# KiCad board SparkFun_GNSS_LG580P_panelized.kicad_pcb (continued)
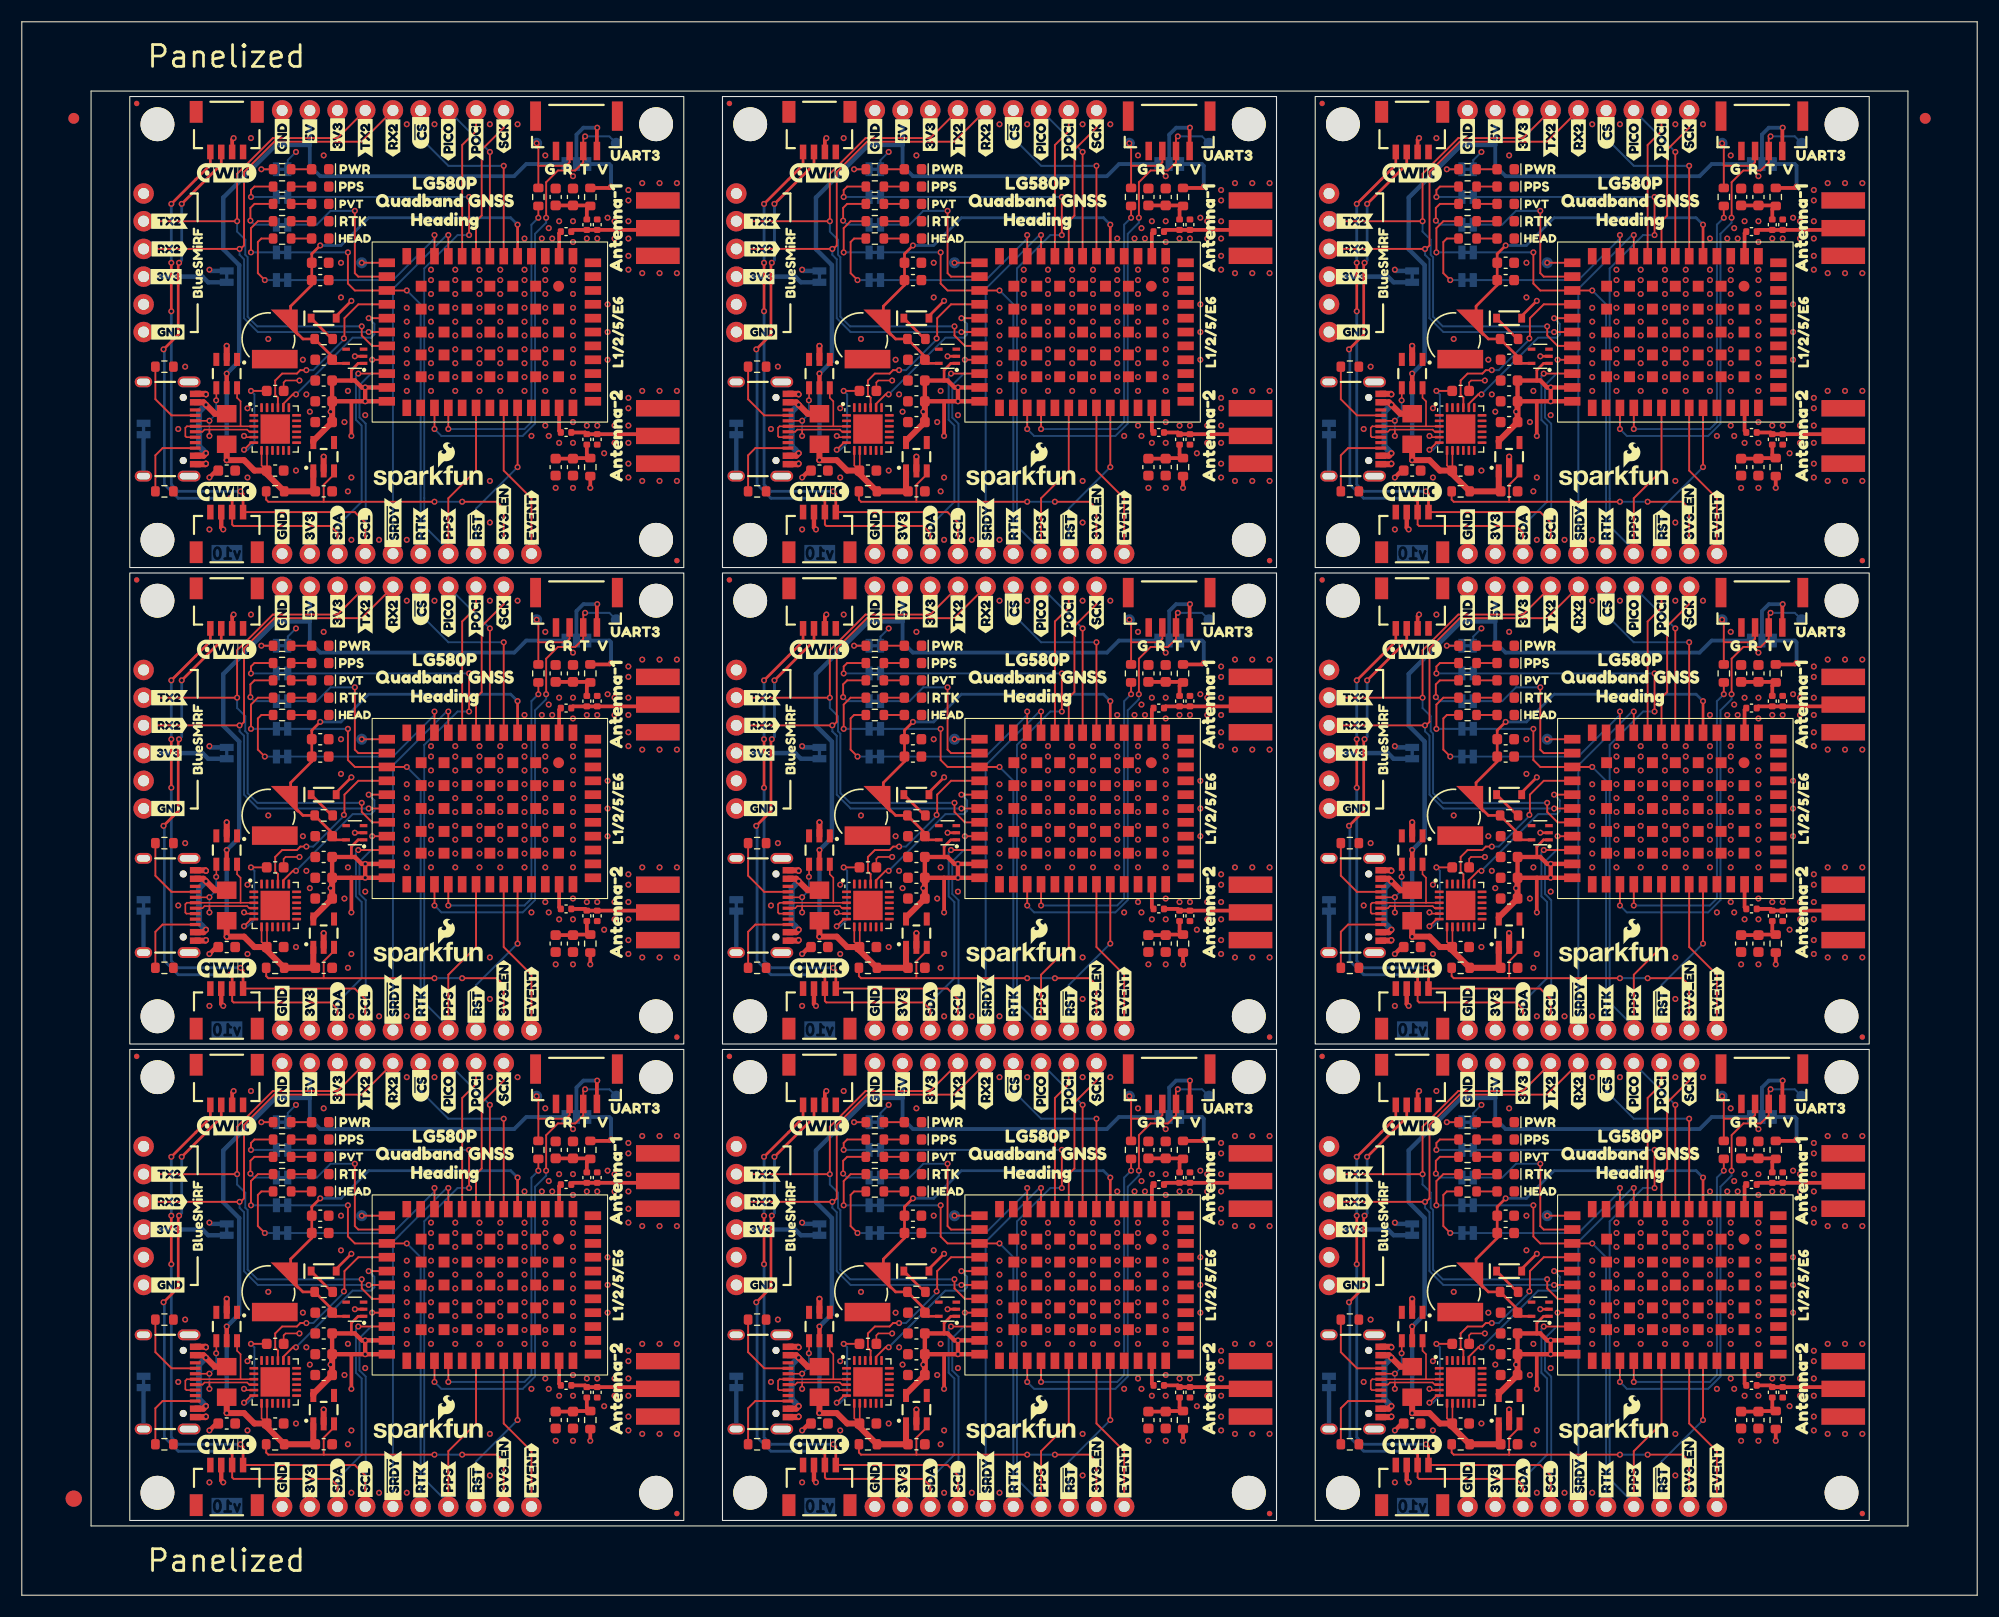
[diagram p0: board, top side]
## Routing (per net, layer and track width the routed paths; a pad name or vN(x,y) marks a point on that pad's centre or on a via; arc(x,y) is an arc through that point) (continued)
  Bottom w0.406: JP1#4.2 17.31,121.4 v1(17.2,121.52) ; v1(125.9,77.84) 126.01,77.72 JP1#7.2 ; v1(17.2,34.16) 17.31,34.04 JP1#9.2 ; v1(125.9,121.52) 126.01,121.4 JP1#8.2 ; v1(71.55,121.52) 71.66,121.4 JP1#6.2 ; JP1.2 71.66,77.72 v1(71.55,77.84) ; JP1#5.2 71.66,34.04 v1(71.55,34.16) ; v1(17.2,77.84) 17.31,77.72 JP1#3.2 ; JP1#2.2 126.01,34.04 v1(125.9,34.16)
  vias: v1(28.31,108.5) v1(28.31,64.82) v1(28.31,21.14) v1(82.66,108.5) v1(82.66,64.82) v1(82.66,21.14) v1(137.01,108.5) v1(137.01,64.82) v1(137.01,21.14)
3V3_EN: length 272.1
  Top w0.178: v1(92.19,12.88) 82.03,12.88 ; v1(149.07,12.88) 152.25,12.88 152.88,12.25 152.88,8.12 ; 136.37,100.24 136.37,101.79 137.32,102.74 U2#7.3 ; 136.37,100.24 131.29,100.24 131.1,100.43 R9#8.1 ; 136.37,100.24 v1(146.53,100.24) ; v1(37.84,100.24) 27.68,100.24 ; 22.41,13.84 22.41,13.07 22.6,12.88 27.68,12.88 ; 136.37,12.88 136.37,14.43 137.32,15.38 U2#3.3 ; 136.37,12.88 131.29,12.88 131.1,13.07 R9#6.1 ; 136.37,12.88 v1(146.53,12.88) ; U2#6.3 82.98,15.38 82.03,14.43 82.03,12.88 ; 136.37,56.56 131.29,56.56 131.1,56.75 R9#7.1 ; 136.37,56.56 v1(146.53,56.56) ; 136.37,56.56 136.37,58.11 137.32,59.06 U2#8.3 ; J10#9.5 44.19,12.25 43.55,12.88 v1(40.38,12.88) ; v1(149.07,56.56) 152.25,56.56 152.88,55.93 152.88,51.8 ; 27.68,100.24 27.68,101.79 28.63,102.74 U2#2.3 ; 27.68,100.24 22.6,100.24 22.41,100.43 22.41,101.2 ; J10.5 98.54,12.25 97.9,12.88 v1(94.73,12.88) ; U2#5.3 82.98,59.06 82.03,58.11 82.03,56.56 ; 27.68,12.88 v1(37.84,12.88) ; 27.68,12.88 27.68,14.43 28.63,15.38 U2#9.3 ; R9#3.1 76.76,56.75 76.95,56.56 82.03,56.56 ; U2#4.3 28.63,59.06 27.68,58.11 27.68,56.56 ; J10#6.5 98.54,99.61 97.9,100.24 v1(94.73,100.24) ; J10#4.5 44.19,99.61 43.55,100.24 v1(40.38,100.24) ; 27.68,56.56 v1(37.84,56.56) ; 27.68,56.56 22.6,56.56 22.41,56.75 22.41,57.52 ; 82.03,12.88 76.95,12.88 76.76,13.07 R9#5.1 ; v1(92.19,100.24) 82.03,100.24 ; 82.03,100.24 82.03,101.79 82.98,102.74 U2.3 ; 82.03,100.24 76.95,100.24 76.76,100.43 R9#9.1 ; v1(149.07,100.24) 152.25,100.24 152.88,99.61 152.88,95.48 ; 82.03,56.56 v1(92.19,56.56) ; J10#3.5 44.19,55.93 43.55,56.56 v1(40.38,56.56) ; J10#5.5 98.54,55.93 97.9,56.56 v1(94.73,56.56)
  Bottom w0.178: v1(92.19,56.56) v1(94.73,56.56) ; v1(92.19,100.24) v1(94.73,100.24) ; v1(37.84,56.56) v1(40.38,56.56) ; v1(92.19,12.88) v1(94.73,12.88) ; v1(146.53,100.24) v1(149.07,100.24) ; v1(146.53,12.88) v1(149.07,12.88) ; v1(37.84,100.24) v1(40.38,100.24) ; v1(37.84,12.88) v1(40.38,12.88) ; v1(146.53,56.56) v1(149.07,56.56)
5V: length 744.3
  Top w0.152: U4#7.8 131.18,15.77 C7#8.1 130.68,16.22 U4#7.7 ; U4#5.8 76.83,59.45 76.81,59.42 76.33,59.89 U4#5.7 ; U4#6.8 131.18,59.45 C7#4.1 130.68,59.89 U4#6.7 ; U4.8 76.83,15.77 76.81,15.74 76.33,16.22 U4.7 ; U4#8.7 130.68,103.58 C7#7.1 131.18,103.12 U4#8.8 ; U4#2.8 22.48,59.45 C7#3.1 21.98,59.89 U4#2.7 ; U4#3.8 76.83,103.12 76.81,103.1 76.33,103.58 U4#3.7 ; U4#9.7 21.98,16.22 C7#9.1 22.48,15.77 U4#9.8 ; U4#4.8 22.48,103.12 C7#2.1 21.98,103.58 U4#4.7
  Top w0.406: U1#6.5 v1(73.14,68.31) ; 127.48,23.33 v1(127.48,24.63) ; 18.79,23.33 v1(18.79,24.63) ; U1#2.5 v1(18.79,68.31) ; F1#9.1 127.48,61.64 ; 73.14,105.51 73.14,105.32 ; U1.5 v1(18.79,111.99) ; 127.48,105.51 127.48,105.32 ; U1#7.5 v1(73.14,111.99) ; 18.79,105.51 18.79,105.32 ; F1#3.1 73.14,17.96 ; U1#3.5 v1(127.48,68.31) ; F1#4.1 73.14,61.64 ; F1.1 18.79,17.96 ; F1#6.1 127.48,17.96 ; U1#4.5 v1(127.48,111.99) ; 73.14,23.33 v1(73.14,24.63) ; F1#2.1 18.79,61.64
  Top w0.559: F1#3.1 v1(73.14,16.69) 74.72,16.69 75.68,15.74 76.81,15.74 76.81,15.44 78.41,13.84 C1#8.1 81.08,14.01 81.08,15.71 ; F1#6.1 v1(127.48,16.69) 129.07,16.69 130.02,15.74 C7#8.1 131.15,15.44 R9#6.2 C1#5.1 135.42,14.01 U2#3.1 ; 81.08,59.39 81.08,57.69 C1#4.1 78.41,57.52 76.81,59.12 76.81,59.42 75.68,59.42 74.72,60.37 v1(73.14,60.37) F1#4.1 ; 81.08,103.07 81.08,101.37 C1#3.1 78.41,101.2 76.81,102.8 76.81,103.1 75.68,103.1 74.72,104.05 v1(73.14,104.05) 73.14,105.51 ; U2#9.1 26.73,14.01 C1.1 R9.2 22.46,15.44 C7#9.1 21.33,15.74 20.38,16.69 v1(18.79,16.69) F1.1 ; F1#2.1 v1(18.79,60.37) 20.38,60.37 21.33,59.42 C7#3.1 22.46,59.12 R9#4.2 C1#7.1 26.73,57.69 U2#4.1 ; U2#7.1 135.42,101.37 C1#9.1 R9#8.2 131.15,102.8 C7#7.1 130.02,103.1 129.07,104.05 v1(127.48,104.05) 127.48,105.51 ; U2#8.1 135.42,57.69 C1#2.1 R9#7.2 131.15,59.12 C7#4.1 130.02,59.42 129.07,60.37 v1(127.48,60.37) F1#9.1 ; U2#2.1 26.73,101.37 C1#6.1 R9#2.2 22.46,102.8 C7#2.1 21.33,103.1 20.38,104.05 v1(18.79,104.05) 18.79,105.51
  Bottom w0.349: 26.41,45.59 26.41,43.68 27.36,42.73 45.14,42.73 46.25,43.84 JP4.3 ; 26.41,132.94 26.41,131.04 27.36,130.09 45.14,130.09 46.25,131.2 JP4#4.3 ; JP4#6.3 154.95,131.2 153.84,130.09 136.06,130.09 135.1,131.04 135.1,132.94 ; JP4#5.3 100.6,43.84 99.49,42.73 81.71,42.73 80.76,43.68 80.76,45.59 ; JP4#9.3 154.95,87.52 153.84,86.41 136.06,86.41 135.1,87.36 135.1,89.27 ; 26.41,89.27 26.41,87.36 27.36,86.41 45.14,86.41 46.25,87.52 JP4#3.3 ; 80.76,132.94 80.76,131.04 81.71,130.09 99.49,130.09 100.6,131.2 JP4#8.3 ; 80.76,89.27 80.76,87.36 81.71,86.41 99.49,86.41 100.6,87.52 JP4#2.3 ; JP4#7.3 154.95,43.84 153.84,42.73 136.06,42.73 135.1,43.68 135.1,45.59
  Bottom w0.406: J6#9.8 26.41,45.59 23.29,45.59 18.47,40.77 18.47,36.03 19.93,34.57 19.93,25.77 v1(18.79,24.63) v1(18.79,16.69) ; J6#6.8 135.1,89.27 131.98,89.27 127.17,84.45 127.17,79.71 128.63,78.25 128.63,69.45 v1(127.48,68.31) v1(127.48,60.37) ; v1(18.79,60.37) v1(18.79,68.31) 19.93,69.45 19.93,78.25 18.47,79.71 18.47,84.45 23.29,89.27 26.41,89.27 J6.8 ; J6#7.8 135.1,45.59 131.98,45.59 127.17,40.77 127.17,36.03 128.63,34.57 128.63,25.77 v1(127.48,24.63) v1(127.48,16.69) ; v1(73.14,60.37) v1(73.14,68.31) 74.28,69.45 74.28,78.25 72.82,79.71 72.82,84.45 77.64,89.27 80.76,89.27 J6#5.8 ; J6#2.8 80.76,132.94 77.64,132.95 72.82,128.13 72.82,123.39 74.28,121.93 74.28,113.13 v1(73.14,111.99) v1(73.14,104.05) ; v1(73.14,16.69) v1(73.14,24.63) 74.28,25.77 74.28,34.57 72.82,36.03 72.82,40.77 77.64,45.59 80.76,45.59 J6#4.8 ; J6#8.8 135.1,132.94 131.98,132.95 127.17,128.13 127.17,123.39 128.63,121.93 128.63,113.13 v1(127.48,111.99) v1(127.48,104.05) ; J6#3.8 26.41,132.94 23.29,132.95 18.47,128.13 18.47,123.39 19.93,121.93 19.93,113.13 v1(18.79,111.99) v1(18.79,104.05)
GND: length 71.1
  Top w0.152: C10#5.1 24.01,67.5 24.19,67.68 v1(25.46,67.68) ; C10#9.1 24.01,23.82 24.19,24 v1(25.46,24) ; v1(134.15,67.68) 132.88,67.68 132.7,67.5 C10#8.1 ; C10#4.1 24.01,111.18 24.19,111.36 v1(25.46,111.36) ; v1(79.8,24) 78.53,24 78.36,23.82 C10#6.1 ; C10.1 78.36,67.5 78.53,67.68 v1(79.8,67.68) ; v1(79.8,111.36) 78.53,111.36 78.36,111.18 C10#7.1 ; v1(134.15,24) 132.88,24 132.7,23.82 C10#2.1 ; C10#3.1 132.7,111.18 132.88,111.36 v1(134.15,111.36)
  Top w0.254: BT1.- 23.18,25.95 ; D11#6.2 v1(139.23,26.22) ; D11#5.2 v1(84.88,69.9) ; D11#3.2 v1(30.54,69.9) ; D11#2.2 v1(139.23,113.58) ; 131.89,69.64 131.87,69.64 ; BT1#6.- 77.53,69.64 ; 131.89,25.95 131.87,25.95 ; BT1#7.- 77.53,113.31 ; BT1#3.- 23.18,113.31 ; BT1#2.- 77.53,25.95 ; D11#4.2 v1(84.88,26.22) ; D11#9.2 v1(30.54,26.22) ; D11.2 v1(30.54,113.58) ; 131.89,113.31 131.87,113.31 ; D11#8.2 v1(84.88,113.58) ; D11#7.2 v1(139.23,69.9) ; BT1#4.- 23.18,69.64
  Top w0.406: 81.08,107.37 C2#6.2 ; 135.42,63.69 C2#2.2 ; 26.73,107.37 C2#4.2 ; 81.08,63.69 C2#5.2 ; 26.73,20.01 C2#9.2 ; 135.42,20.01 C2#7.2 ; 81.08,20.01 C2#3.2 ; 135.42,107.37 C2#8.2 ; 26.73,63.69 C2.2
  Top w0.559: J1#8.GND 125.53,103.69 v1(125.58,103.73) ; v1(82.03,60.69) U2#5.2 ; v1(136.37,17.01) U2#3.2 ; J1#2.GND 71.18,60.01 v1(71.23,60.06) ; J1#7.GND 125.53,66.46 v1(125.58,66.41) ; J1#3.GND 125.53,16.33 v1(125.58,16.38) ; U1#9.2 v1(18.79,27.17) ; v1(71.23,16.38) 71.18,16.33 J1#5.GND ; J1#8.GND 125.53,110.14 v1(125.58,110.09) ; J1.GND 16.83,110.14 v1(16.88,110.09) ; v1(71.23,103.73) 71.18,103.69 J1#6.GND ; v1(136.37,104.37) U2#7.2 ; U1#2.2 v1(18.79,70.85) ; U1#5.2 v1(73.14,27.17) ; v1(16.88,66.41) 16.83,66.46 J1#4.GND ; v1(82.03,17.01) U2#6.2 ; v1(16.88,103.73) 16.83,103.69 J1.GND ; J1#9.GND 16.83,16.33 v1(16.88,16.38) ; J1#3.GND 125.53,22.78 v1(125.58,22.73) ; J1#4.GND 16.83,60.01 v1(16.88,60.06) ; v1(27.68,104.37) U2#2.2 ; v1(27.68,17.01) U2#9.2 ; v1(27.68,60.69) U2#4.2 ; v1(16.88,22.73) 16.83,22.78 J1#9.GND ; J1#6.GND 71.18,110.14 v1(71.23,110.09) ; v1(71.23,66.41) 71.18,66.46 J1#2.GND ; J1#7.GND 125.53,60.01 v1(125.58,60.06) ; J1#5.GND 71.18,22.78 v1(71.23,22.73) ; U1#8.2 v1(127.48,27.17) ; v1(136.37,60.69) U2#8.2 ; U1#3.2 v1(127.48,70.85) ; U1.2 v1(18.79,114.53) ; v1(82.03,104.37) U2.2 ; U1#7.2 v1(73.14,114.53) ; U1#6.2 v1(73.14,70.85) ; U1#4.2 v1(127.48,114.53)
  vias: v1(14.34,106.91) v1(14.34,63.23) v1(14.34,19.55) v1(14.98,112.62) v1(14.98,68.94) v1(14.98,25.27) v1(17.2,97.7) v1(17.2,54.02) v1(17.2,10.34) v1(20.69,108.81) v1(20.69,102.47) v1(20.69,65.14) v1(20.69,58.78) v1(20.69,21.45) v1(20.69,15.11) v1(21.01,133.58) v1(21.01,89.9) v1(21.01,46.22) v1(22.6,115.17) v1(22.6,71.48) v1(22.6,27.81) v1(25.14,103.1) v1(25.14,59.42) v1(25.14,15.74) v1(25.77,113.26) v1(25.77,69.58) v1(25.77,25.9) v1(26.09,110.09) v1(26.09,66.41) v1(26.09,22.73) v1(26.41,108.5) v1(26.41,64.82) v1(26.41,21.14) v1(27.68,131.99) v1(27.68,88.31) v1(27.68,44.63) v1(29.27,122.15) v1(29.27,118.98) v1(29.27,78.47) v1(29.27,75.3) v1(29.27,34.79) v1(29.27,31.62) v1(29.58,107.55) v1(29.58,63.87) v1(29.58,20.19) v1(29.9,110.4) v1(29.9,101.2) v1(29.9,66.72) v1(29.9,57.52) v1(29.9,23.04) v1(29.9,13.84) v1(30.22,102.47) v1(30.22,96.75) v1(30.22,58.78) v1(30.22,53.07) v1(30.22,15.11) v1(30.22,9.39) v1(31.49,108.18) v1(31.49,64.5) v1(31.49,20.82) v1(32.76,96.75) v1(32.76,53.07) v1(32.76,9.39) v1(35.3,134.85) v1(35.3,118.02) v1(35.3,116.75) v1(35.3,115.48) v1(35.3,114.21) v1(35.3,112.94) v1(35.3,111.67) v1(35.3,110.4) v1(35.3,96.75) v1(35.3,91.17) v1(35.3,74.34) v1(35.3,73.07) v1(35.3,71.8) v1(35.3,70.53) v1(35.3,69.26) v1(35.3,67.99) v1(35.3,66.72) v1(35.3,53.07) v1(35.3,47.49) v1(35.3,30.66) v1(35.3,29.39) v1(35.3,28.12) v1(35.3,26.85) v1(35.3,25.58) v1(35.3,24.31) v1(35.3,23.04) v1(35.3,9.39) v1(37.52,121.52) v1(37.52,120.56) v1(37.52,119.29) v1(37.52,118.02) v1(37.52,116.75) v1(37.52,115.48) v1(37.52,114.21) v1(37.52,112.94) v1(37.52,111.67) v1(37.52,110.4) v1(37.52,77.84) v1(37.52,76.88) v1(37.52,75.61) v1(37.52,74.34) v1(37.52,73.07) v1(37.52,71.8) v1(37.52,70.53) v1(37.52,69.26) v1(37.52,67.99) v1(37.52,66.72) v1(37.52,34.16) v1(37.52,33.2) v1(37.52,31.93) v1(37.52,30.66) v1(37.52,29.39) v1(37.52,28.12) v1(37.52,26.85) v1(37.52,25.58) v1(37.52,24.31) v1(37.52,23.04) v1(37.84,134.85) v1(37.84,91.17) v1(37.84,47.49) v1(39.74,121.52) v1(39.74,120.56) v1(39.74,119.29) v1(39.74,118.02) v1(39.74,116.75) v1(39.74,115.48) v1(39.74,114.21) v1(39.74,112.94) v1(39.74,111.67) v1(39.74,110.4) v1(39.74,77.84) v1(39.74,76.88) v1(39.74,75.61) v1(39.74,74.34) v1(39.74,73.07) v1(39.74,71.8) v1(39.74,70.53) v1(39.74,69.26) v1(39.74,67.99) v1(39.74,66.72) v1(39.74,34.16) v1(39.74,33.2) v1(39.74,31.93) v1(39.74,30.66) v1(39.74,29.39) v1(39.74,28.12) v1(39.74,26.85) v1(39.74,25.58) v1(39.74,24.31) v1(39.74,23.04) v1(41.97,121.52) v1(41.97,120.56) v1(41.97,119.29) v1(41.97,118.02) v1(41.97,116.75) v1(41.97,115.48) v1(41.97,114.21) v1(41.97,112.94) v1(41.97,111.67) v1(41.97,110.4) v1(41.97,77.84) v1(41.97,76.88) v1(41.97,75.61) v1(41.97,74.34) v1(41.97,73.07) v1(41.97,71.8) v1(41.97,70.53) v1(41.97,69.26) v1(41.97,67.99) v1(41.97,66.72) v1(41.97,34.16) v1(41.97,33.2) v1(41.97,31.93) v1(41.97,30.66) v1(41.97,29.39) v1(41.97,28.12) v1(41.97,26.85) v1(41.97,25.58) v1(41.97,24.31) v1(41.97,23.04) v1(42.92,134.85) v1(42.92,102.15) v1(42.92,98.34) v1(42.92,91.17) v1(42.92,58.47) v1(42.92,54.66) v1(42.92,47.49) v1(42.92,14.79) v1(42.92,10.98) v1(43.87,121.52) v1(43.87,120.56) v1(43.87,119.29) v1(43.87,118.02) v1(43.87,116.75) v1(43.87,115.48) v1(43.87,114.21) v1(43.87,112.94) v1(43.87,111.67) v1(43.87,110.4) v1(43.87,77.84) v1(43.87,76.88) v1(43.87,75.61) v1(43.87,74.34) v1(43.87,73.07) v1(43.87,71.8) v1(43.87,70.53) v1(43.87,69.26) v1(43.87,67.99) v1(43.87,66.72) v1(43.87,34.16) v1(43.87,33.2) v1(43.87,31.93) v1(43.87,30.66) v1(43.87,29.39) v1(43.87,28.12) v1(43.87,26.85) v1(43.87,25.58) v1(43.87,24.31) v1(43.87,23.04) v1(45.46,134.85) v1(45.46,91.17) v1(45.46,47.49) v1(46.09,124.37) v1(46.09,121.52) v1(46.09,120.56) v1(46.09,119.29) v1(46.09,118.02) v1(46.09,116.75) v1(46.09,115.48) v1(46.09,114.21) v1(46.09,112.94) v1(46.09,111.67) v1(46.09,110.4) v1(46.09,80.69) v1(46.09,77.84) v1(46.09,76.88) v1(46.09,75.61) v1(46.09,74.34) v1(46.09,73.07) v1(46.09,71.8) v1(46.09,70.53) v1(46.09,69.26) v1(46.09,67.99) v1(46.09,66.72) v1(46.09,37.01) v1(46.09,34.16) v1(46.09,33.2) v1(46.09,31.93) v1(46.09,30.66) v1(46.09,29.39) v1(46.09,28.12) v1(46.09,26.85) v1(46.09,25.58) v1(46.09,24.31) v1(46.09,23.04) v1(46.73,106.28) v1(46.73,62.6) v1(46.73,18.92) v1(47.68,124.37) v1(47.68,80.69) v1(47.68,37.01) v1(48,131.99) v1(48,121.52) v1(48,120.56) v1(48,119.29) v1(48,118.02) v1(48,116.75) v1(48,115.48) v1(48,114.21) v1(48,112.94) v1(48,111.67) v1(48,110.4) v1(48,107.23) v1(48,88.31) v1(48,77.84) v1(48,76.88) v1(48,75.61) v1(48,74.34) v1(48,73.07) v1(48,71.8) v1(48,70.53) v1(48,69.26) v1(48,67.99) v1(48,66.72) v1(48,63.55) v1(48,44.63) v1(48,34.16) v1(48,33.2) v1(48,31.93) v1(48,30.66) v1(48,29.39) v1(48,28.12) v1(48,26.85) v1(48,25.58) v1(48,24.31) v1(48,23.04) v1(48,19.87) v1(48.32,125.33) v1(48.32,106.28) v1(48.32,81.65) v1(48.32,62.6) v1(48.32,37.97) v1(48.32,18.92) v1(48.63,124.37) v1(48.63,80.69) v1(48.63,37.01) v1(48.95,101.51) v1(48.95,57.83) v1(48.95,14.15) v1(49.27,125.96) v1(49.27,105.64) v1(49.27,82.28) v1(49.27,61.96) v1(49.27,38.6) v1(49.27,18.28) v1(50.54,130.09) v1(50.54,125.96) v1(50.54,124.06) v1(50.54,121.52) v1(50.54,120.56) v1(50.54,119.29) v1(50.54,118.02) v1(50.54,116.75) v1(50.54,115.48) v1(50.54,114.21) v1(50.54,112.94) v1(50.54,111.67) v1(50.54,110.4) v1(50.54,107.55) v1(50.54,105.64) v1(50.54,101.51) v1(50.54,86.41) v1(50.54,82.28) v1(50.54,80.38) v1(50.54,77.84) v1(50.54,76.88) v1(50.54,75.61) v1(50.54,74.34) v1(50.54,73.07) v1(50.54,71.8) v1(50.54,70.53) v1(50.54,69.26) v1(50.54,67.99) v1(50.54,66.72) v1(50.54,63.87) v1(50.54,61.96) v1(50.54,57.83) v1(50.54,42.73) v1(50.54,38.6) v1(50.54,36.7) v1(50.54,34.16) v1(50.54,33.2) v1(50.54,31.93) v1(50.54,30.66) v1(50.54,29.39) v1(50.54,28.12) v1(50.54,26.85) v1(50.54,25.58) v1(50.54,24.31) v1(50.54,23.04) v1(50.54,20.19) v1(50.54,18.28) v1(50.54,14.15) v1(51.81,124.37) v1(51.81,107.23) v1(51.81,80.69) v1(51.81,63.55) v1(51.81,37.01) v1(51.81,19.87) v1(52.76,124.37) v1(52.76,107.23) v1(52.76,80.69) v1(52.76,63.55) v1(52.76,37.01) v1(52.76,19.87) v1(53.4,104.69) v1(53.4,61.01) v1(53.4,17.33) v1(53.71,126.28) v1(53.71,118.34) v1(53.71,115.8) v1(53.71,113.26) v1(53.71,82.6) v1(53.71,74.66) v1(53.71,72.12) v1(53.71,69.58) v1(53.71,38.92) v1(53.71,30.98) v1(53.71,28.44) v1(53.71,25.9) v1(54.35,125.96) v1(54.35,124.37) v1(54.35,107.23) v1(54.35,105.64) v1(54.35,82.28) v1(54.35,80.69) v1(54.35,63.55) v1(54.35,61.96) v1(54.35,38.6) v1(54.35,37.01) v1(54.35,19.87) v1(54.35,18.28) v1(55.62,128.82) v1(55.62,127.87) v1(55.62,125.96) v1(55.62,124.37) v1(55.62,122.78) v1(55.62,121.52) v1(55.62,109.77) v1(55.62,108.81) v1(55.62,107.23) v1(55.62,105.64) v1(55.62,103.73) v1(55.62,102.47) v1(55.62,85.14) v1(55.62,84.19) v1(55.62,82.28) v1(55.62,80.69) v1(55.62,79.11) v1(55.62,77.84) v1(55.62,66.09) v1(55.62,65.14) v1(55.62,63.55) v1(55.62,61.96) v1(55.62,60.06) v1(55.62,58.78) v1(55.62,41.46) v1(55.62,40.51) v1(55.62,38.6) v1(55.62,37.01) v1(55.62,35.42) v1(55.62,34.16) v1(55.62,22.41) v1(55.62,21.45) v1(55.62,19.87) v1(55.62,18.28) v1(55.62,16.38) v1(55.62,15.11) v1(56.89,129.45) v1(56.89,121.2) v1(56.89,110.4) v1(56.89,102.15) v1(56.89,85.77) v1(56.89,77.52) v1(56.89,66.72) v1(56.89,58.47) v1(56.89,42.09) v1(56.89,33.84) v1(56.89,23.04) v1(56.89,14.79) v1(58.48,129.45) v1(58.48,121.2) v1(58.48,110.4) v1(58.48,102.15) v1(58.48,85.77) v1(58.48,77.52) v1(58.48,66.72) v1(58.48,58.47) v1(58.48,42.09) v1(58.48,33.84) v1(58.48,23.04) v1(58.48,14.79) v1(60.06,129.45) v1(60.06,121.2) v1(60.06,110.4) v1(60.06,102.15) v1(60.06,85.77) v1(60.06,77.52) v1(60.06,66.72) v1(60.06,58.47) v1(60.06,42.09) v1(60.06,33.84) v1(60.06,23.04) v1(60.06,14.79) v1(68.69,106.91) v1(68.69,63.23) v1(68.69,19.55) v1(69.33,112.62) v1(69.33,68.94) v1(69.33,25.27) v1(71.55,97.7) v1(71.55,54.02) v1(71.55,10.34) v1(75.04,108.81) v1(75.04,102.47) v1(75.04,65.14) v1(75.04,58.78) v1(75.04,21.45) v1(75.04,15.11) v1(75.36,133.58) v1(75.36,89.9) v1(75.36,46.22) v1(76.95,115.17) v1(76.95,71.48) v1(76.95,27.81) v1(79.49,103.1) v1(79.49,59.42) v1(79.49,15.74) v1(80.12,113.26) v1(80.12,69.58) v1(80.12,25.9) v1(80.44,110.09) v1(80.44,66.41) v1(80.44,22.73) v1(80.76,108.5) v1(80.76,64.82) v1(80.76,21.14) v1(82.03,131.99) v1(82.03,88.31) v1(82.03,44.63) v1(83.61,122.15) v1(83.61,118.98) v1(83.61,78.47) v1(83.61,75.3) v1(83.61,34.79) v1(83.61,31.62) v1(83.93,107.55) v1(83.93,63.87) v1(83.93,20.19) v1(84.25,110.4) v1(84.25,101.2) v1(84.25,66.72) v1(84.25,57.52) v1(84.25,23.04) v1(84.25,13.84) v1(84.57,102.47) v1(84.57,96.75) v1(84.57,58.78) v1(84.57,53.07) v1(84.57,15.11) v1(84.57,9.39) v1(85.84,108.18) v1(85.84,64.5) v1(85.84,20.82) v1(87.11,96.75) v1(87.11,53.07) v1(87.11,9.39) v1(89.65,134.85) v1(89.65,118.02) v1(89.65,116.75) v1(89.65,115.48) v1(89.65,114.21) v1(89.65,112.94) v1(89.65,111.67) v1(89.65,110.4) v1(89.65,96.75) v1(89.65,91.17) v1(89.65,74.34) v1(89.65,73.07) v1(89.65,71.8) v1(89.65,70.53) v1(89.65,69.26) v1(89.65,67.99) v1(89.65,66.72) v1(89.65,53.07) v1(89.65,47.49) v1(89.65,30.66) v1(89.65,29.39) v1(89.65,28.12) v1(89.65,26.85) v1(89.65,25.58) v1(89.65,24.31) v1(89.65,23.04) v1(89.65,9.39) v1(91.87,121.52) v1(91.87,120.56) v1(91.87,119.29) v1(91.87,118.02) v1(91.87,116.75) v1(91.87,115.48) v1(91.87,114.21) v1(91.87,112.94) v1(91.87,111.67) v1(91.87,110.4) v1(91.87,77.84) v1(91.87,76.88) v1(91.87,75.61) v1(91.87,74.34) v1(91.87,73.07) v1(91.87,71.8) v1(91.87,70.53) v1(91.87,69.26) v1(91.87,67.99) v1(91.87,66.72) v1(91.87,34.16) v1(91.87,33.2) v1(91.87,31.93) v1(91.87,30.66) v1(91.87,29.39) v1(91.87,28.12) v1(91.87,26.85) v1(91.87,25.58) v1(91.87,24.31) v1(91.87,23.04) v1(92.19,134.85) v1(92.19,91.17) v1(92.19,47.49) v1(94.09,121.52) v1(94.09,120.56) v1(94.09,119.29) v1(94.09,118.02) v1(94.09,116.75) v1(94.09,115.48) v1(94.09,114.21) v1(94.09,112.94) v1(94.09,111.67) v1(94.09,110.4) v1(94.09,77.84) v1(94.09,76.88) v1(94.09,75.61) v1(94.09,74.34) v1(94.09,73.07) v1(94.09,71.8) v1(94.09,70.53) v1(94.09,69.26) v1(94.09,67.99) v1(94.09,66.72) v1(94.09,34.16) v1(94.09,33.2) v1(94.09,31.93) v1(94.09,30.66) v1(94.09,29.39) v1(94.09,28.12) v1(94.09,26.85) v1(94.09,25.58) v1(94.09,24.31) v1(94.09,23.04) v1(96.31,121.52) v1(96.31,120.56) v1(96.31,119.29) v1(96.31,118.02) v1(96.31,116.75) v1(96.31,115.48) v1(96.31,114.21) v1(96.31,112.94) v1(96.31,111.67) v1(96.31,110.4) v1(96.31,77.84) v1(96.31,76.88) v1(96.31,75.61) v1(96.31,74.34) v1(96.31,73.07) v1(96.31,71.8) v1(96.31,70.53) v1(96.31,69.26) v1(96.31,67.99) v1(96.31,66.72) v1(96.31,34.16) v1(96.31,33.2) v1(96.31,31.93) v1(96.31,30.66) v1(96.31,29.39) v1(96.31,28.12) v1(96.31,26.85) v1(96.31,25.58) v1(96.31,24.31) v1(96.31,23.04) v1(97.27,134.85) v1(97.27,102.15) v1(97.27,98.34) v1(97.27,91.17) v1(97.27,58.47) v1(97.27,54.66) v1(97.27,47.49) v1(97.27,14.79) v1(97.27,10.98) v1(98.22,121.52) v1(98.22,120.56) v1(98.22,119.29) v1(98.22,118.02) v1(98.22,116.75) v1(98.22,115.48) v1(98.22,114.21) v1(98.22,112.94) v1(98.22,111.67) v1(98.22,110.4) v1(98.22,77.84) v1(98.22,76.88) v1(98.22,75.61) v1(98.22,74.34) v1(98.22,73.07) v1(98.22,71.8) v1(98.22,70.53) v1(98.22,69.26) v1(98.22,67.99) v1(98.22,66.72) v1(98.22,34.16) v1(98.22,33.2) v1(98.22,31.93) v1(98.22,30.66) v1(98.22,29.39) v1(98.22,28.12) v1(98.22,26.85) v1(98.22,25.58) v1(98.22,24.31) v1(98.22,23.04) v1(99.81,134.85) v1(99.81,91.17) v1(99.81,47.49) v1(100.44,124.37) v1(100.44,121.52) v1(100.44,120.56) v1(100.44,119.29) v1(100.44,118.02) v1(100.44,116.75) v1(100.44,115.48) v1(100.44,114.21) v1(100.44,112.94) v1(100.44,111.67) v1(100.44,110.4) v1(100.44,80.69) v1(100.44,77.84) v1(100.44,76.88) v1(100.44,75.61) v1(100.44,74.34) v1(100.44,73.07) v1(100.44,71.8) v1(100.44,70.53) v1(100.44,69.26) v1(100.44,67.99) v1(100.44,66.72) v1(100.44,37.01) v1(100.44,34.16) v1(100.44,33.2) v1(100.44,31.93) v1(100.44,30.66) v1(100.44,29.39) v1(100.44,28.12) v1(100.44,26.85) v1(100.44,25.58) v1(100.44,24.31) v1(100.44,23.04) v1(101.08,106.28) v1(101.08,62.6) v1(101.08,18.92) v1(102.03,124.37) v1(102.03,80.69) v1(102.03,37.01) v1(102.35,131.99) v1(102.35,121.52) v1(102.35,120.56) v1(102.35,119.29) v1(102.35,118.02) v1(102.35,116.75) v1(102.35,115.48) v1(102.35,114.21) v1(102.35,112.94) v1(102.35,111.67) v1(102.35,110.4) v1(102.35,107.23) v1(102.35,88.31) v1(102.35,77.84) v1(102.35,76.88) v1(102.35,75.61) v1(102.35,74.34) v1(102.35,73.07) v1(102.35,71.8) v1(102.35,70.53) v1(102.35,69.26) v1(102.35,67.99) v1(102.35,66.72) v1(102.35,63.55) v1(102.35,44.63) v1(102.35,34.16) v1(102.35,33.2) v1(102.35,31.93) v1(102.35,30.66) v1(102.35,29.39) v1(102.35,28.12) v1(102.35,26.85) v1(102.35,25.58) v1(102.35,24.31) v1(102.35,23.04) v1(102.35,19.87) v1(102.66,125.33) v1(102.66,106.28) v1(102.66,81.65) v1(102.66,62.6) v1(102.66,37.97) v1(102.66,18.92) v1(102.98,124.37) v1(102.98,80.69) v1(102.98,37.01) v1(103.3,101.51) v1(103.3,57.83) v1(103.3,14.15) v1(103.62,125.96) v1(103.62,105.64) v1(103.62,82.28) v1(103.62,61.96) v1(103.62,38.6) v1(103.62,18.28) v1(104.89,130.09) v1(104.89,125.96) v1(104.89,124.06) v1(104.89,121.52) v1(104.89,120.56) v1(104.89,119.29) v1(104.89,118.02) v1(104.89,116.75) v1(104.89,115.48) v1(104.89,114.21) v1(104.89,112.94) v1(104.89,111.67) v1(104.89,110.4) v1(104.89,107.55) v1(104.89,105.64) v1(104.89,101.51) v1(104.89,86.41) v1(104.89,82.28) v1(104.89,80.38) v1(104.89,77.84) v1(104.89,76.88) v1(104.89,75.61) v1(104.89,74.34) v1(104.89,73.07) v1(104.89,71.8) v1(104.89,70.53) v1(104.89,69.26) v1(104.89,67.99) v1(104.89,66.72) v1(104.89,63.87) v1(104.89,61.96) v1(104.89,57.83) v1(104.89,42.73) v1(104.89,38.6) v1(104.89,36.7) v1(104.89,34.16) v1(104.89,33.2) v1(104.89,31.93) v1(104.89,30.66) v1(104.89,29.39) v1(104.89,28.12) v1(104.89,26.85) v1(104.89,25.58) v1(104.89,24.31) v1(104.89,23.04) v1(104.89,20.19) v1(104.89,18.28) v1(104.89,14.15) v1(106.16,124.37) v1(106.16,107.23) v1(106.16,80.69) v1(106.16,63.55) v1(106.16,37.01) v1(106.16,19.87) v1(107.11,124.37) v1(107.11,107.23) v1(107.11,80.69) v1(107.11,63.55) v1(107.11,37.01) v1(107.11,19.87) v1(107.74,104.69) v1(107.74,61.01) v1(107.74,17.33) v1(108.06,126.28) v1(108.06,118.34) v1(108.06,115.8) v1(108.06,113.26) v1(108.06,82.6) v1(108.06,74.66) v1(108.06,72.12) v1(108.06,69.58) v1(108.06,38.92) v1(108.06,30.98) v1(108.06,28.44) v1(108.06,25.9) v1(108.7,125.96) v1(108.7,124.37) v1(108.7,107.23) v1(108.7,105.64) v1(108.7,82.28) v1(108.7,80.69) v1(108.7,63.55) v1(108.7,61.96) v1(108.7,38.6) v1(108.7,37.01) v1(108.7,19.87) v1(108.7,18.28) v1(109.97,128.82) v1(109.97,127.87) v1(109.97,125.96) v1(109.97,124.37) v1(109.97,122.78) v1(109.97,121.52) v1(109.97,109.77) v1(109.97,108.81) v1(109.97,107.23) v1(109.97,105.64) v1(109.97,103.73) v1(109.97,102.47) v1(109.97,85.14) v1(109.97,84.19) v1(109.97,82.28) v1(109.97,80.69) v1(109.97,79.11) v1(109.97,77.84) v1(109.97,66.09) v1(109.97,65.14) v1(109.97,63.55) v1(109.97,61.96) v1(109.97,60.06) v1(109.97,58.78) v1(109.97,41.46) v1(109.97,40.51) v1(109.97,38.6) v1(109.97,37.01) v1(109.97,35.42) v1(109.97,34.16) v1(109.97,22.41) v1(109.97,21.45) v1(109.97,19.87) v1(109.97,18.28) v1(109.97,16.38) v1(109.97,15.11) v1(111.24,129.45) v1(111.24,121.2) v1(111.24,110.4) v1(111.24,102.15) v1(111.24,85.77) v1(111.24,77.52) v1(111.24,66.72) v1(111.24,58.47) v1(111.24,42.09) v1(111.24,33.84) v1(111.24,23.04) v1(111.24,14.79) v1(112.82,129.45) v1(112.82,121.2) v1(112.82,110.4) v1(112.82,102.15) v1(112.82,85.77) v1(112.82,77.52) v1(112.82,66.72) v1(112.82,58.47) v1(112.82,42.09) v1(112.82,33.84) v1(112.82,23.04) v1(112.82,14.79) v1(114.41,129.45) v1(114.41,121.2) v1(114.41,110.4) v1(114.41,102.15) v1(114.41,85.77) v1(114.41,77.52) v1(114.41,66.72) v1(114.41,58.47) v1(114.41,42.09) v1(114.41,33.84) v1(114.41,23.04) v1(114.41,14.79) v1(123.04,106.91) v1(123.04,63.23) v1(123.04,19.55) v1(123.67,112.62) v1(123.67,68.94) v1(123.67,25.27) v1(125.9,97.7) v1(125.9,54.02) v1(125.9,10.34) v1(129.39,108.81) v1(129.39,102.47) v1(129.39,65.14) v1(129.39,58.78) v1(129.39,21.45) v1(129.39,15.11) v1(129.71,133.58) v1(129.71,89.9) v1(129.71,46.22) v1(131.29,115.17) v1(131.29,71.48) v1(131.29,27.81) v1(133.83,103.1) v1(133.83,59.42) v1(133.83,15.74) v1(134.47,113.26) v1(134.47,69.58) v1(134.47,25.9) v1(134.79,110.09) v1(134.79,66.41) v1(134.79,22.73) v1(135.1,108.5) v1(135.1,64.82) v1(135.1,21.14) v1(136.37,131.99) v1(136.37,88.31) v1(136.37,44.63) v1(137.96,122.15) v1(137.96,118.98) v1(137.96,78.47) v1(137.96,75.3) v1(137.96,34.79) v1(137.96,31.62) v1(138.28,107.55) v1(138.28,63.87) v1(138.28,20.19) v1(138.6,110.4) v1(138.6,101.2) v1(138.6,66.72) v1(138.6,57.52) v1(138.6,23.04) v1(138.6,13.84) v1(138.91,102.47) v1(138.91,96.75) v1(138.91,58.78) v1(138.91,53.07) v1(138.91,15.11) v1(138.91,9.39) v1(140.18,108.18) v1(140.18,64.5) v1(140.18,20.82) v1(141.45,96.75) v1(141.45,53.07) v1(141.45,9.39) v1(143.99,134.85) v1(143.99,118.02) v1(143.99,116.75) v1(143.99,115.48) v1(143.99,114.21) v1(143.99,112.94) v1(143.99,111.67) v1(143.99,110.4) v1(143.99,96.75) v1(143.99,91.17) v1(143.99,74.34) v1(143.99,73.07) v1(143.99,71.8) v1(143.99,70.53) v1(143.99,69.26) v1(143.99,67.99) v1(143.99,66.72) v1(143.99,53.07) v1(143.99,47.49) v1(143.99,30.66) v1(143.99,29.39) v1(143.99,28.12) v1(143.99,26.85) v1(143.99,25.58) v1(143.99,24.31) v1(143.99,23.04) v1(143.99,9.39) v1(146.22,121.52) v1(146.22,120.56) v1(146.22,119.29) v1(146.22,118.02) v1(146.22,116.75) v1(146.22,115.48) v1(146.22,114.21) v1(146.22,112.94) v1(146.22,111.67) v1(146.22,110.4) v1(146.22,77.84) v1(146.22,76.88) v1(146.22,75.61) v1(146.22,74.34) v1(146.22,73.07) v1(146.22,71.8) v1(146.22,70.53) v1(146.22,69.26) v1(146.22,67.99) v1(146.22,66.72) v1(146.22,34.16) v1(146.22,33.2) v1(146.22,31.93) v1(146.22,30.66) v1(146.22,29.39) v1(146.22,28.12) v1(146.22,26.85) v1(146.22,25.58) v1(146.22,24.31) v1(146.22,23.04) v1(146.53,134.85) v1(146.53,91.17) v1(146.53,47.49) v1(148.44,121.52) v1(148.44,120.56) v1(148.44,119.29) v1(148.44,118.02) v1(148.44,116.75) v1(148.44,115.48) v1(148.44,114.21) v1(148.44,112.94) v1(148.44,111.67) v1(148.44,110.4) v1(148.44,77.84) v1(148.44,76.88) v1(148.44,75.61) v1(148.44,74.34) v1(148.44,73.07) v1(148.44,71.8) v1(148.44,70.53) v1(148.44,69.26) v1(148.44,67.99) v1(148.44,66.72) v1(148.44,34.16) v1(148.44,33.2) v1(148.44,31.93) v1(148.44,30.66) v1(148.44,29.39) v1(148.44,28.12) v1(148.44,26.85) v1(148.44,25.58) v1(148.44,24.31) v1(148.44,23.04) v1(150.66,121.52) v1(150.66,120.56) v1(150.66,119.29) v1(150.66,118.02) v1(150.66,116.75) v1(150.66,115.48) v1(150.66,114.21) v1(150.66,112.94) v1(150.66,111.67) v1(150.66,110.4) v1(150.66,77.84) v1(150.66,76.88) v1(150.66,75.61) v1(150.66,74.34) v1(150.66,73.07) v1(150.66,71.8) v1(150.66,70.53) v1(150.66,69.26) v1(150.66,67.99) v1(150.66,66.72) v1(150.66,34.16) v1(150.66,33.2) v1(150.66,31.93) v1(150.66,30.66) v1(150.66,29.39) v1(150.66,28.12) v1(150.66,26.85) v1(150.66,25.58) v1(150.66,24.31) v1(150.66,23.04) v1(151.61,134.85) v1(151.61,102.15) v1(151.61,98.34) v1(151.61,91.17) v1(151.61,58.47) v1(151.61,54.66) v1(151.61,47.49) v1(151.61,14.79) v1(151.61,10.98) v1(152.57,121.52) v1(152.57,120.56) v1(152.57,119.29) v1(152.57,118.02) v1(152.57,116.75) v1(152.57,115.48) v1(152.57,114.21) v1(152.57,112.94) v1(152.57,111.67) v1(152.57,110.4) v1(152.57,77.84) v1(152.57,76.88) v1(152.57,75.61) v1(152.57,74.34) v1(152.57,73.07) v1(152.57,71.8) v1(152.57,70.53) v1(152.57,69.26) v1(152.57,67.99) v1(152.57,66.72) v1(152.57,34.16) v1(152.57,33.2) v1(152.57,31.93) v1(152.57,30.66) v1(152.57,29.39) v1(152.57,28.12) v1(152.57,26.85) v1(152.57,25.58) v1(152.57,24.31) v1(152.57,23.04) v1(154.15,134.85) v1(154.15,91.17) v1(154.15,47.49) v1(154.79,124.37) v1(154.79,121.52) v1(154.79,120.56) v1(154.79,119.29) v1(154.79,118.02) v1(154.79,116.75) v1(154.79,115.48) v1(154.79,114.21) v1(154.79,112.94) v1(154.79,111.67) v1(154.79,110.4) v1(154.79,80.69) v1(154.79,77.84) v1(154.79,76.88) v1(154.79,75.61) v1(154.79,74.34) v1(154.79,73.07) v1(154.79,71.8) v1(154.79,70.53) v1(154.79,69.26) v1(154.79,67.99) v1(154.79,66.72) v1(154.79,37.01) v1(154.79,34.16) v1(154.79,33.2) v1(154.79,31.93) v1(154.79,30.66) v1(154.79,29.39) v1(154.79,28.12) v1(154.79,26.85) v1(154.79,25.58) v1(154.79,24.31) v1(154.79,23.04) v1(155.42,106.28) v1(155.42,62.6) v1(155.42,18.92) v1(156.38,124.37) v1(156.38,80.69) v1(156.38,37.01) v1(156.69,131.99) v1(156.69,121.52) v1(156.69,120.56) v1(156.69,119.29) v1(156.69,118.02) v1(156.69,116.75) v1(156.69,115.48) v1(156.69,114.21) v1(156.69,112.94) v1(156.69,111.67) v1(156.69,110.4) v1(156.69,107.23) v1(156.69,88.31) v1(156.69,77.84) v1(156.69,76.88) v1(156.69,75.61) v1(156.69,74.34) v1(156.69,73.07) v1(156.69,71.8) v1(156.69,70.53) v1(156.69,69.26) v1(156.69,67.99) v1(156.69,66.72) v1(156.69,63.55) v1(156.69,44.63) v1(156.69,34.16) v1(156.69,33.2) v1(156.69,31.93) v1(156.69,30.66) v1(156.69,29.39) v1(156.69,28.12) v1(156.69,26.85) v1(156.69,25.58) v1(156.69,24.31) v1(156.69,23.04) v1(156.69,19.87) v1(157.01,125.33) v1(157.01,106.28) v1(157.01,81.65) v1(157.01,62.6) v1(157.01,37.97) v1(157.01,18.92) v1(157.33,124.37) v1(157.33,80.69) v1(157.33,37.01) v1(157.65,101.51) v1(157.65,57.83) v1(157.65,14.15) v1(157.96,125.96) v1(157.96,105.64) v1(157.96,82.28) v1(157.96,61.96) v1(157.96,38.6) v1(157.96,18.28) v1(159.23,130.09) v1(159.23,125.96) v1(159.23,124.06) v1(159.23,121.52) v1(159.23,120.56) v1(159.23,119.29) v1(159.23,118.02) v1(159.23,116.75) v1(159.23,115.48) v1(159.23,114.21) v1(159.23,112.94) v1(159.23,111.67) v1(159.23,110.4) v1(159.23,107.55) v1(159.23,105.64) v1(159.23,101.51) v1(159.23,86.41) v1(159.23,82.28) v1(159.23,80.38) v1(159.23,77.84) v1(159.23,76.88) v1(159.23,75.61) v1(159.23,74.34) v1(159.23,73.07) v1(159.23,71.8) v1(159.23,70.53) v1(159.23,69.26) v1(159.23,67.99) v1(159.23,66.72) v1(159.23,63.87) v1(159.23,61.96) v1(159.23,57.83) v1(159.23,42.73) v1(159.23,38.6) v1(159.23,36.7) v1(159.23,34.16) v1(159.23,33.2) v1(159.23,31.93) v1(159.23,30.66) v1(159.23,29.39) v1(159.23,28.12) v1(159.23,26.85) v1(159.23,25.58) v1(159.23,24.31) v1(159.23,23.04) v1(159.23,20.19) v1(159.23,18.28) v1(159.23,14.15) v1(160.5,124.37) v1(160.5,107.23) v1(160.5,80.69) v1(160.5,63.55) v1(160.5,37.01) v1(160.5,19.87) v1(161.46,124.37) v1(161.46,107.23) v1(161.46,80.69) v1(161.46,63.55) v1(161.46,37.01) v1(161.46,19.87) v1(162.09,104.69) v1(162.09,61.01) v1(162.09,17.33) v1(162.41,126.28) v1(162.41,118.34) v1(162.41,115.8) v1(162.41,113.26) v1(162.41,82.6) v1(162.41,74.66) v1(162.41,72.12) v1(162.41,69.58) v1(162.41,38.92) v1(162.41,30.98) v1(162.41,28.44) v1(162.41,25.9) v1(163.04,125.96) v1(163.04,124.37) v1(163.04,107.23) v1(163.04,105.64) v1(163.04,82.28) v1(163.04,80.69) v1(163.04,63.55) v1(163.04,61.96) v1(163.04,38.6) v1(163.04,37.01) v1(163.04,19.87) v1(163.04,18.28) v1(164.31,128.82) v1(164.31,127.87) v1(164.31,125.96) v1(164.31,124.37) v1(164.31,122.78) v1(164.31,121.52) v1(164.31,109.77) v1(164.31,108.81) v1(164.31,107.23) v1(164.31,105.64) v1(164.31,103.73) v1(164.31,102.47) v1(164.31,85.14) v1(164.31,84.19) v1(164.31,82.28) v1(164.31,80.69) v1(164.31,79.11) v1(164.31,77.84) v1(164.31,66.09) v1(164.31,65.14) v1(164.31,63.55) v1(164.31,61.96) v1(164.31,60.06) v1(164.31,58.78) v1(164.31,41.46) v1(164.31,40.51) v1(164.31,38.6) v1(164.31,37.01) v1(164.31,35.42) v1(164.31,34.16) v1(164.31,22.41) v1(164.31,21.45) v1(164.31,19.87) v1(164.31,18.28) v1(164.31,16.38) v1(164.31,15.11) v1(165.58,129.45) v1(165.58,121.2) v1(165.58,110.4) v1(165.58,102.15) v1(165.58,85.77) v1(165.58,77.52) v1(165.58,66.72) v1(165.58,58.47) v1(165.58,42.09) v1(165.58,33.84) v1(165.58,23.04) v1(165.58,14.79) v1(167.17,129.45) v1(167.17,121.2) v1(167.17,110.4) v1(167.17,102.15) v1(167.17,85.77) v1(167.17,77.52) v1(167.17,66.72) v1(167.17,58.47) v1(167.17,42.09) v1(167.17,33.84) v1(167.17,23.04) v1(167.17,14.79) v1(168.76,129.45) v1(168.76,121.2) v1(168.76,110.4) v1(168.76,102.15) v1(168.76,85.77) v1(168.76,77.52) v1(168.76,66.72) v1(168.76,58.47) v1(168.76,42.09) v1(168.76,33.84) v1(168.76,23.04) v1(168.76,14.79)
